# Altium PCB EMDO601_Patch.PcbDoc (part 1 of 3)
Units mil, origin at the board's own origin, x right, y up, seen from the top; angles counter-clockwise.
Board outline 3149.61 x 7086.61 mil, 4 copper layers (Top Layer, Mid-Layer 1, Mid-Layer 2, Bottom Layer), stack 56.141 mil thick; 242 components, 120 nets, 763 pads, 2087 vias.
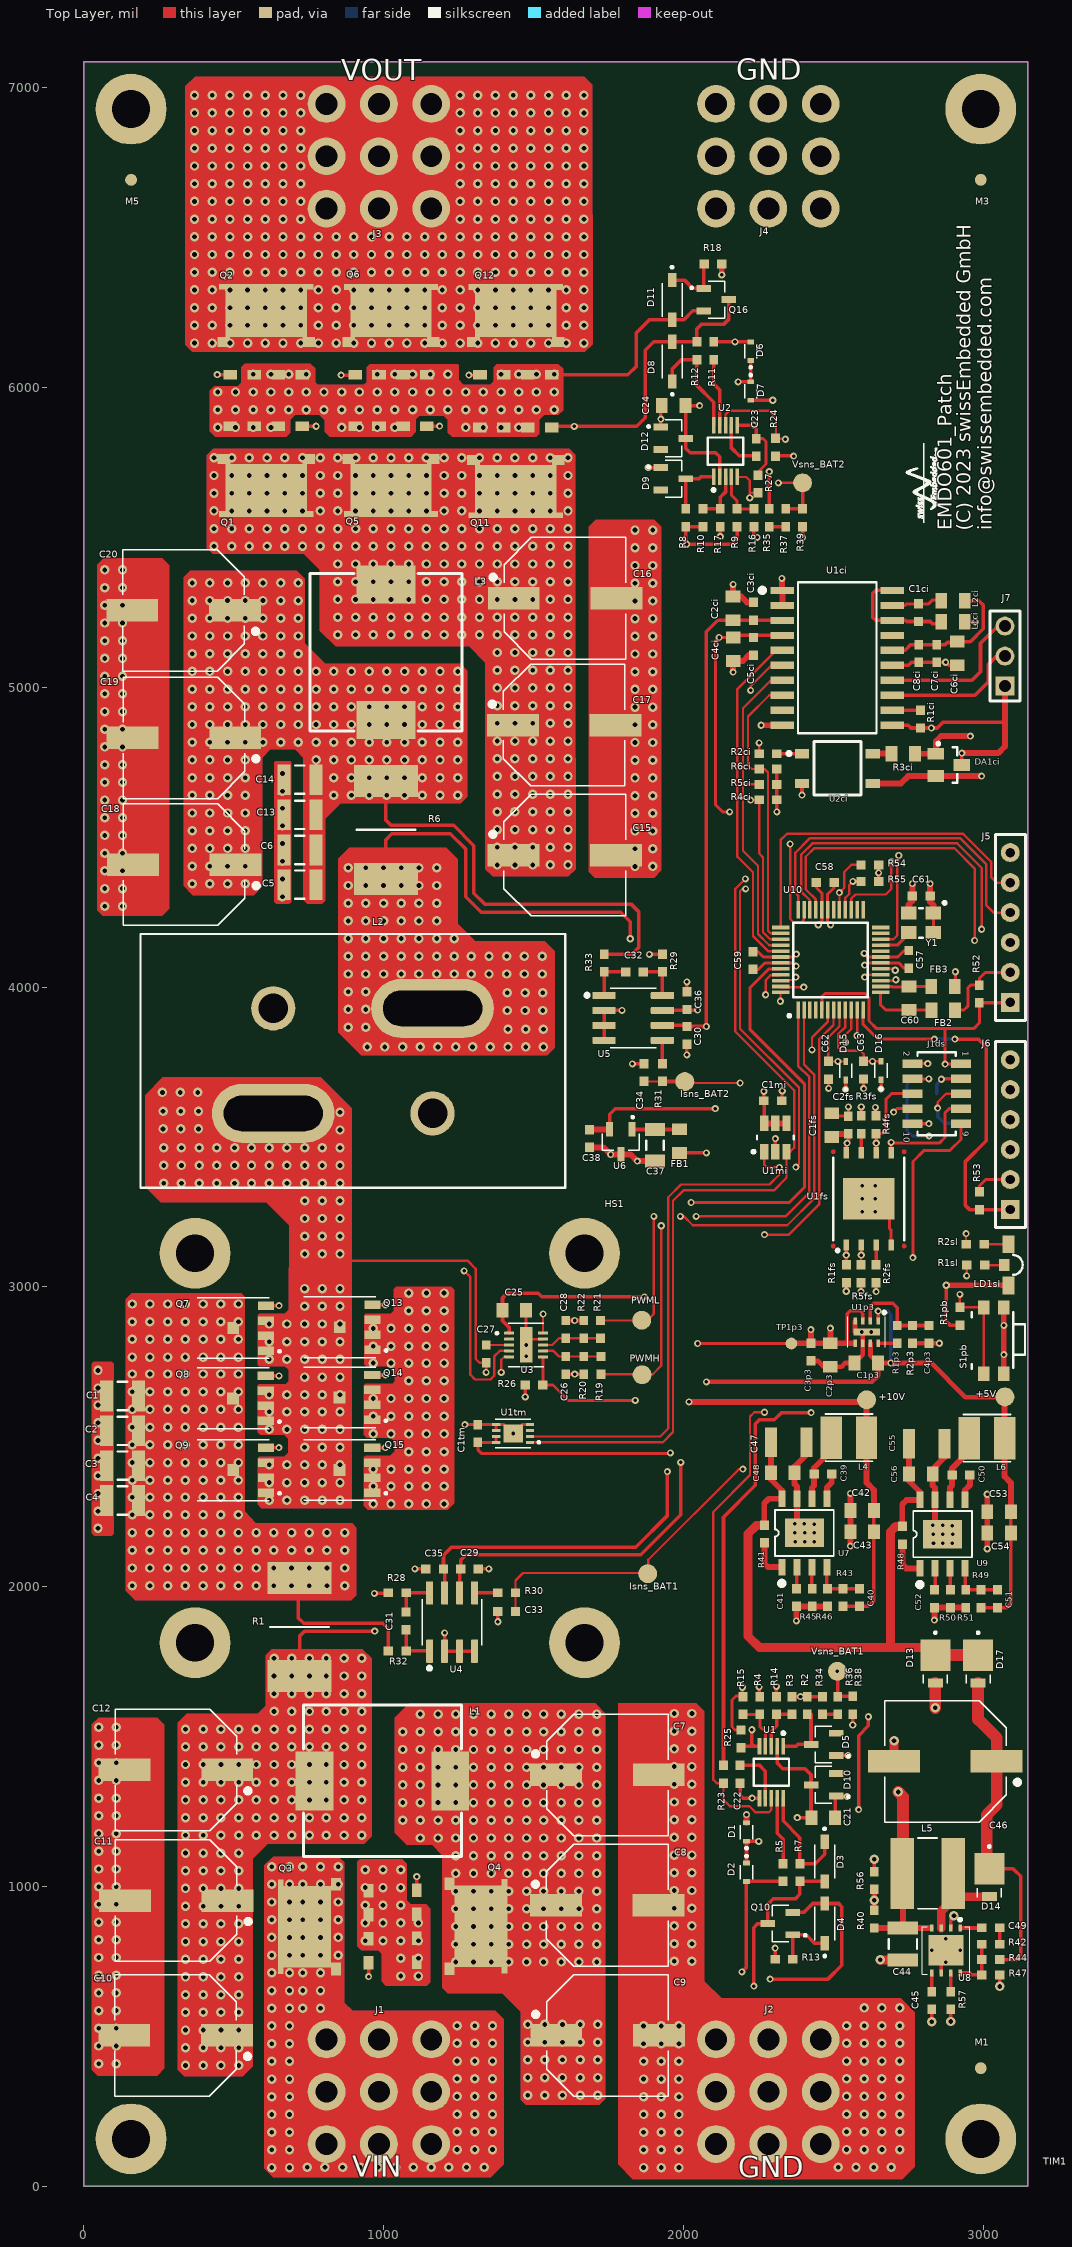
[diagram p0: Top Layer view]
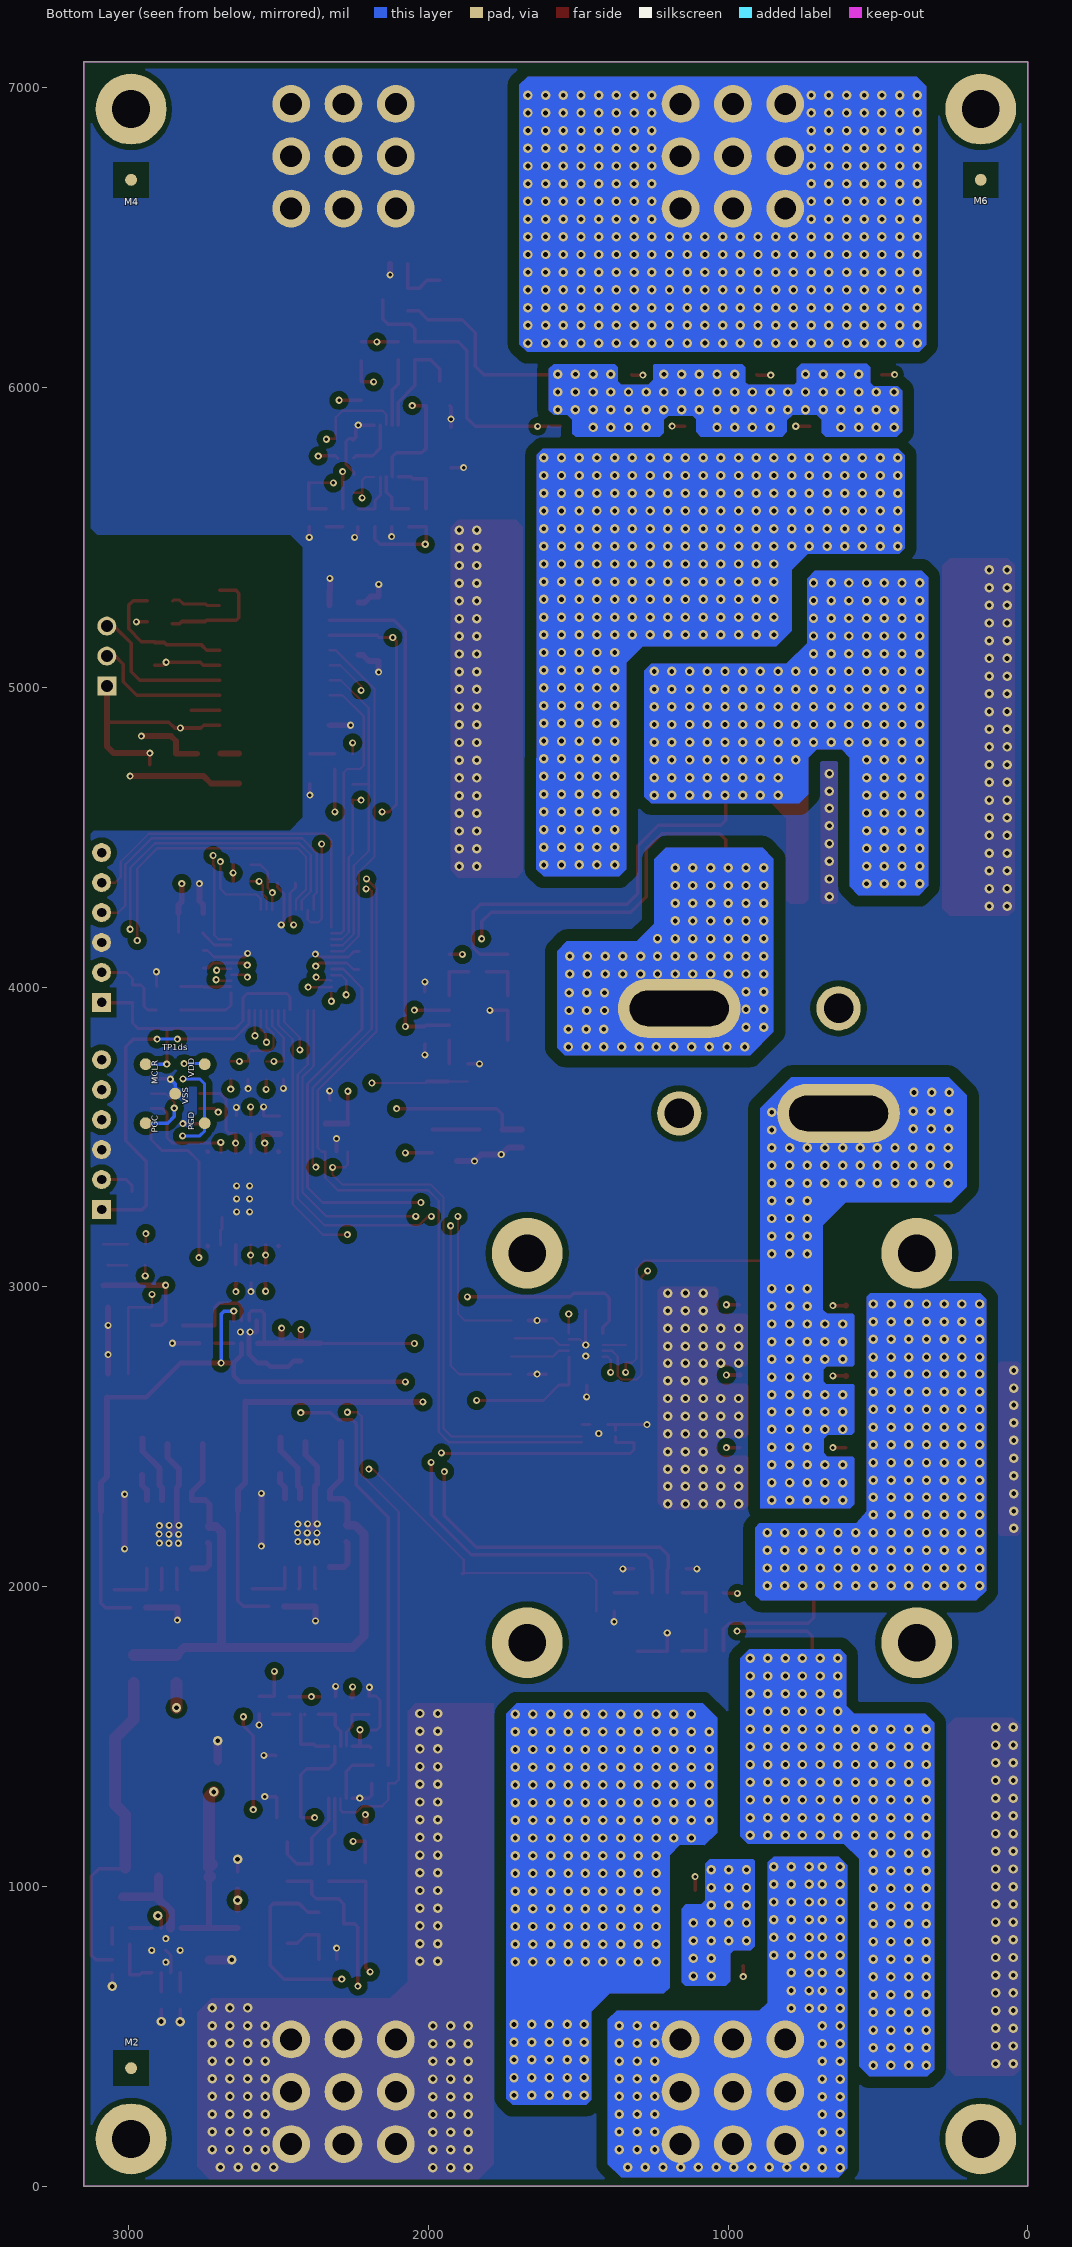
[diagram p1: Bottom Layer view, seen from below]
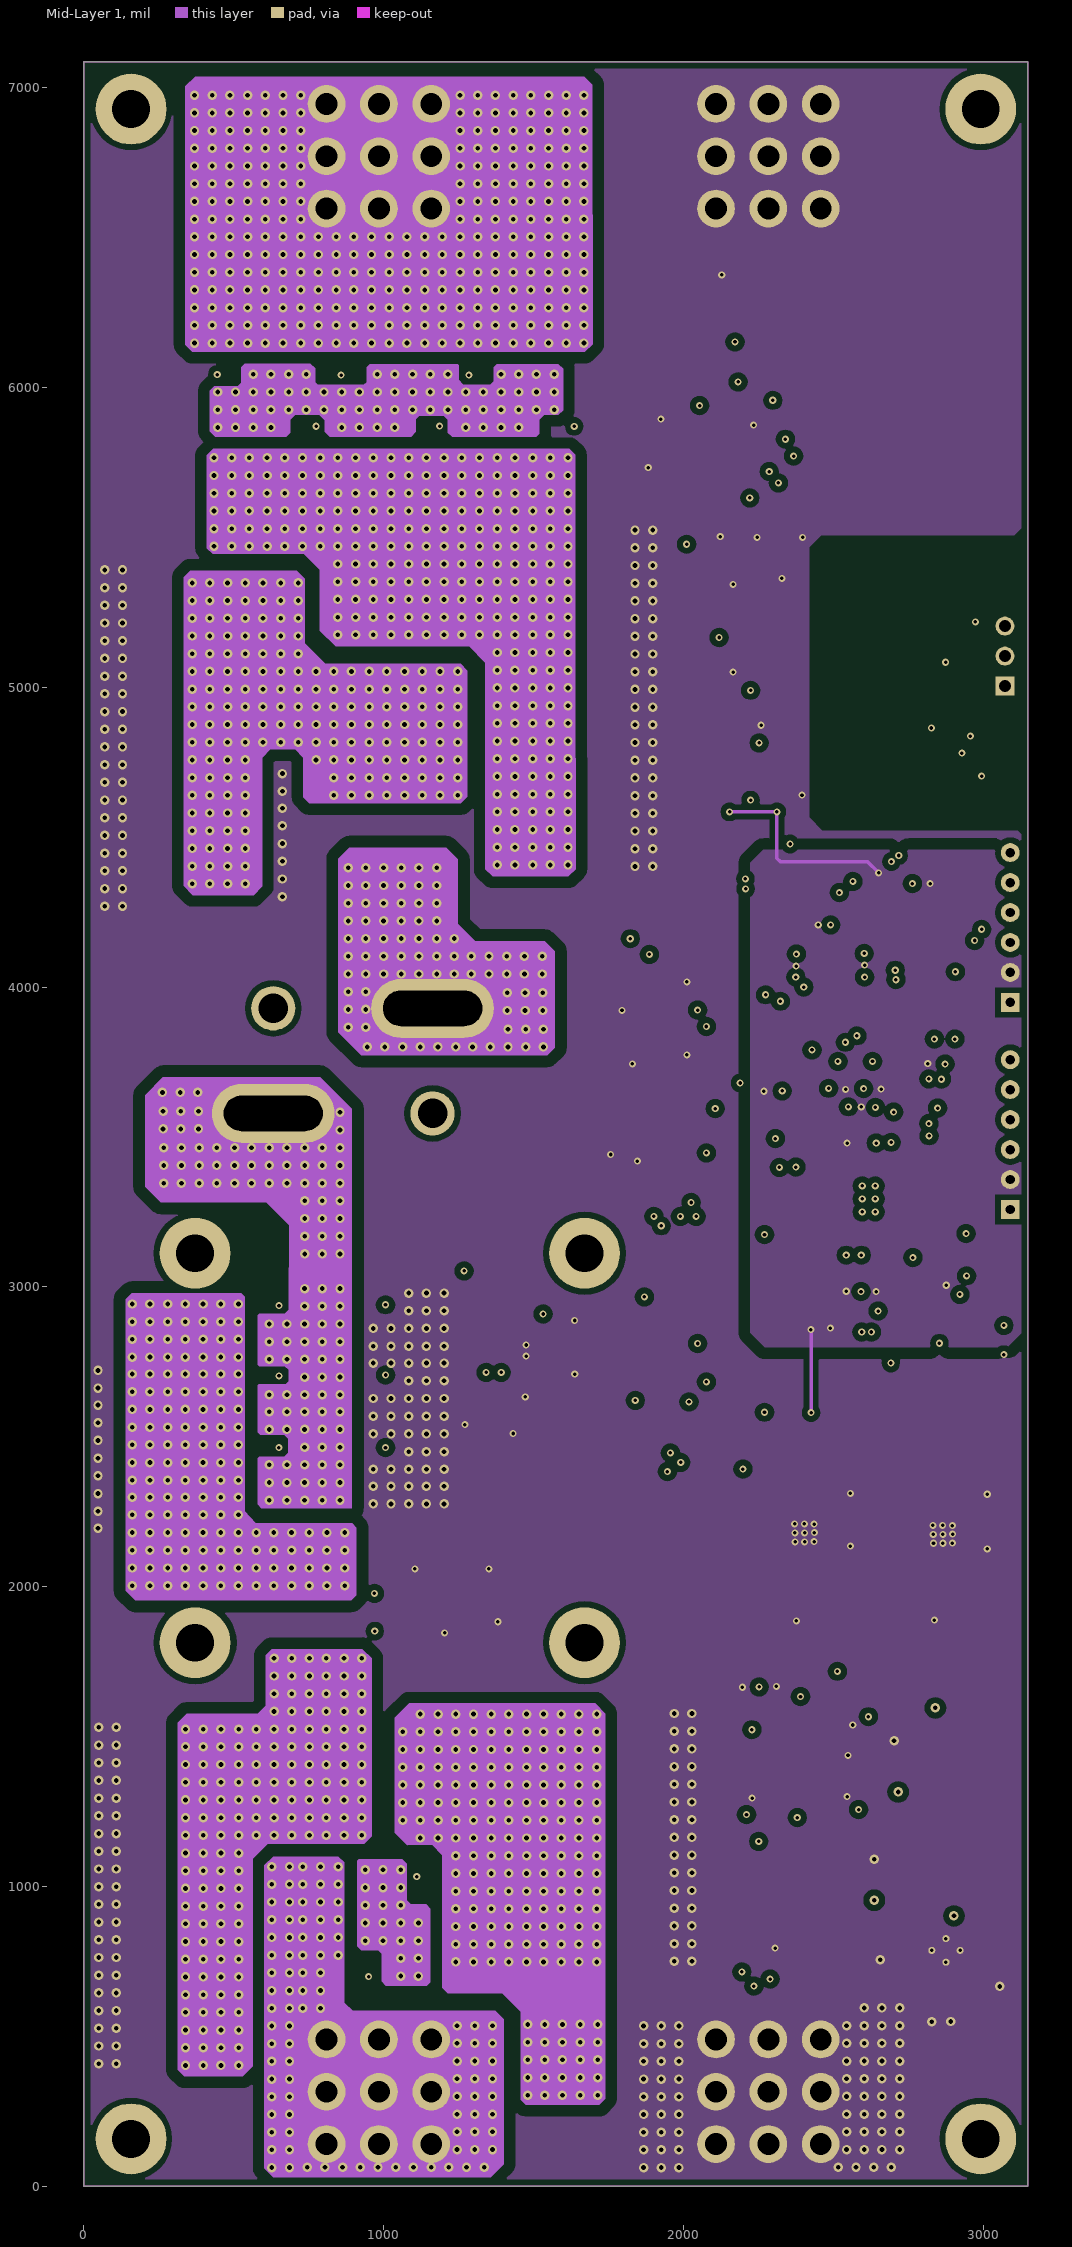
[diagram p2: Mid-Layer 1]
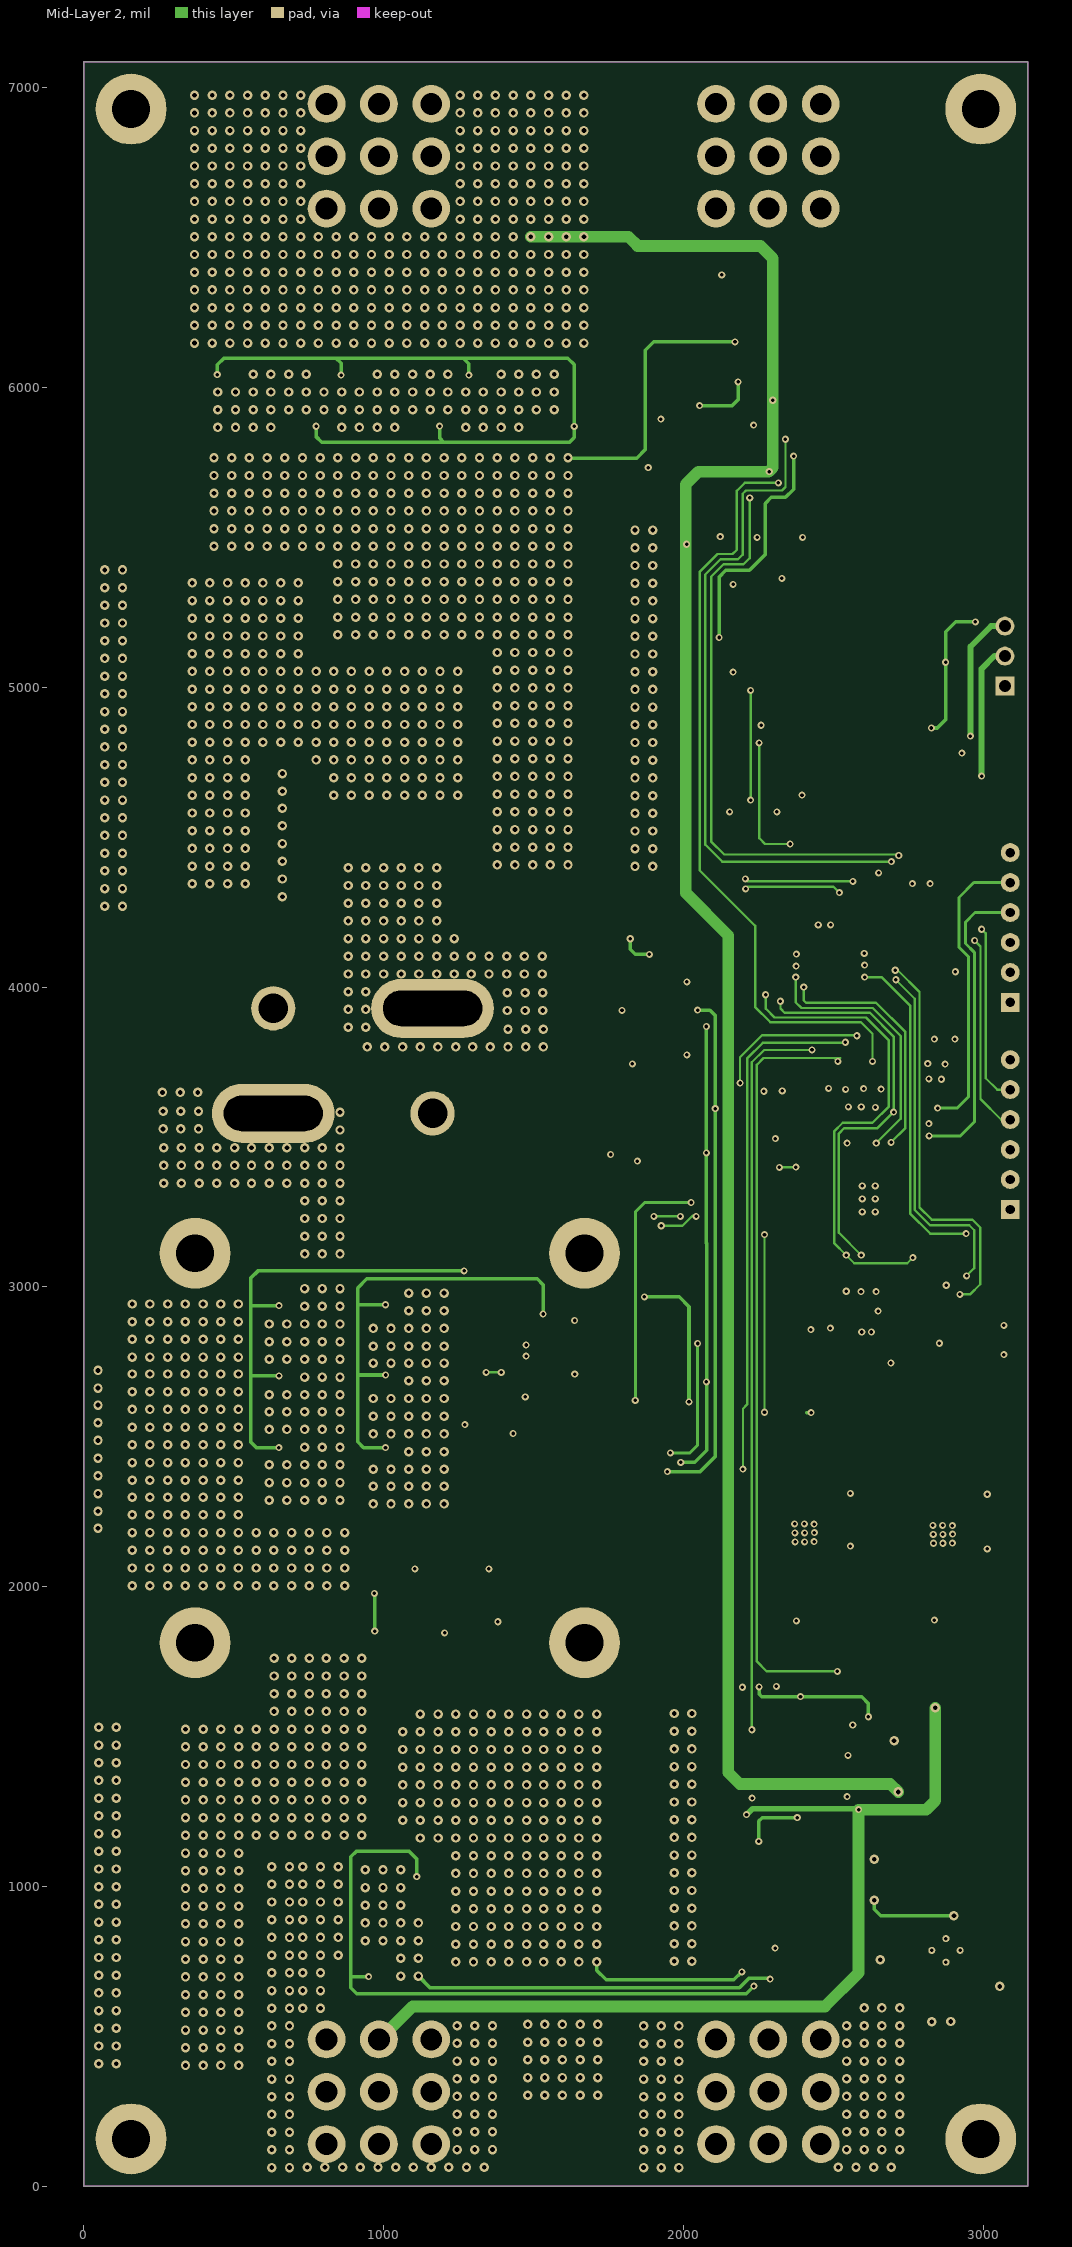
[diagram p3: Mid-Layer 2]
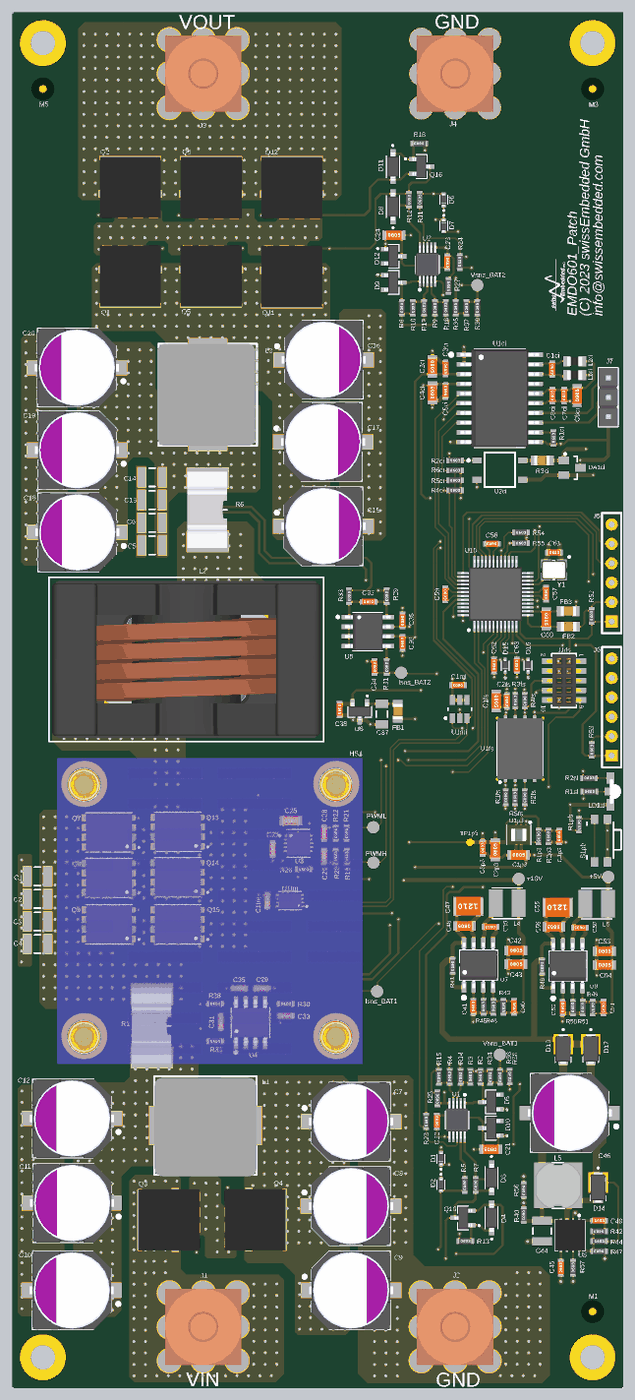
[diagram p6: 3D render of the assembled board from above, using the file's embedded part models]

## Layer stack, top to bottom
Top Solder: solder mask 0.4, Solder Resist, Dk 3.5
Top Layer: signal copper 1.3778
Dielectric1: core 11.3386, FR-4, Dk 4.8
Mid-Layer 1: signal copper 1.3778
Dielectric2: prepreg 27.9528, FR-4, Dk 4.8
Mid-Layer 2: signal copper 1.3778
Dielectric3: core 11.3386, FR-4, Dk 4.8
Bottom Layer: signal copper 1.3778
Bottom Solder: solder mask 0.4, Solder Resist, Dk 3.5

## Board outline
0,0 0,7086.61 3149.61,7086.61 3149.61,0

## Design rules (kind name [scope] priority, off if disabled: settings)
Clearance [All] p1: gap=19.68 ignorepadtopadclearanceinfootprint=FALSE except(7.87: Arc-Arc Arc-Track Arc-SMDPad Arc-THPad Arc-Via Arc-Hole Track-Track Track-SMDPad Track-THPad Track-Via Track-Hole SMDPad-SMDPad SMDPad-THPad SMDPad-Via SMDPad-Hole THPad-THPad THPad-Via THPad-Hole Via-Via Via-Hole Fill-Hole Poly-Hole Region-Hole Text-Hole; 13.78: Arc-Region Track-Region SMDPad-Region THPad-Region Via-Region Fill-Region; 39.37: Poly-Poly Poly-Region Region-Region)
ComponentClearance [All] p1: gap=9.84 collisioncheckmode=3 verticalgap=0 showdistances=FALSE
DiffPairsRouting DiffPairsRouting_USB [InDifferentialPair('USB')] p1: maxlimit=393.7 minlimit=3.94 mostfreqgap=3.94 toplayer_minwidth=6.3 toplayer_maxwidth=19.68 toplayer_prefwidth=7.87 midlayer1_minwidth=6.3 midlayer1_maxwidth=19.68 midlayer1_prefwidth=7.87 midlayer2_minwidth=6.3 midlayer2_maxwidth=19.68 midlayer2_prefwidth=7.87 bottomlayer_minwidth=6.3 bottomlayer_maxwidth=19.68 bottomlayer_prefwidth=7.87 maxuncoupledlength=500
DiffPairsRouting DiffPairsRouting_USB_D [InDifferentialPair('USB_D')] p2: maxlimit=393.7 minlimit=3.94 mostfreqgap=3.94 toplayer_minwidth=6.3 toplayer_maxwidth=19.68 toplayer_prefwidth=7.87 midlayer1_minwidth=6.3 midlayer1_maxwidth=19.68 midlayer1_prefwidth=7.87 midlayer2_minwidth=6.3 midlayer2_maxwidth=19.68 midlayer2_prefwidth=7.87 bottomlayer_minwidth=6.3 bottomlayer_maxwidth=19.68 bottomlayer_prefwidth=7.87 maxuncoupledlength=500
DiffPairsRouting DiffPairsRouting_ETH_RD [InDifferentialPair('ETH_RD')] p3: maxlimit=393.7 minlimit=3.94 mostfreqgap=3.94 toplayer_minwidth=6.3 toplayer_maxwidth=19.68 toplayer_prefwidth=7.87 midlayer1_minwidth=6.3 midlayer1_maxwidth=19.68 midlayer1_prefwidth=7.87 midlayer2_minwidth=6.3 midlayer2_maxwidth=19.68 midlayer2_prefwidth=7.87 bottomlayer_minwidth=6.3 bottomlayer_maxwidth=19.68 bottomlayer_prefwidth=7.87 maxuncoupledlength=500
DiffPairsRouting DiffPairsRouting_ETH_TD [InDifferentialPair('ETH_TD')] p4: maxlimit=393.7 minlimit=3.94 mostfreqgap=3.94 toplayer_minwidth=6.3 toplayer_maxwidth=19.68 toplayer_prefwidth=7.87 midlayer1_minwidth=6.3 midlayer1_maxwidth=19.68 midlayer1_prefwidth=7.87 midlayer2_minwidth=6.3 midlayer2_maxwidth=19.68 midlayer2_prefwidth=7.87 bottomlayer_minwidth=6.3 bottomlayer_maxwidth=19.68 bottomlayer_prefwidth=7.87 maxuncoupledlength=500
DiffPairsRouting [All] p5: maxlimit=6.3 minlimit=3.94 mostfreqgap=3.94 toplayer_minwidth=6.3 toplayer_maxwidth=19.68 toplayer_prefwidth=7.87 midlayer1_minwidth=6.3 midlayer1_maxwidth=19.68 midlayer1_prefwidth=7.87 midlayer2_minwidth=6.3 midlayer2_maxwidth=19.68 midlayer2_prefwidth=7.87 bottomlayer_minwidth=6.3 bottomlayer_maxwidth=19.68 bottomlayer_prefwidth=7.87 maxuncoupledlength=500
Height [All] p1: minheight=0 maxheight=787.4 prefheight=393.7
HoleSize [All] p1: absolutevalues=TRUE maxlimit=393.7 minlimit=7.87 maxpercent=80.000 minpercent=20.000
HoleToHoleClearance [All] p1: gap=15.75 allowstackedmicrovias=TRUE
MatchedLengths MD_MatchedLengths [InNetClass('MD')] p1: tolerance=78.74 checknetsindiffpair=FALSE checkdiffpairvsdiffpair=TRUE checkxsignals=TRUE checkothers=TRUE
MatchedLengths SD_MatchedLengths [InNetClass('SD')] p2: tolerance=314.96 checknetsindiffpair=FALSE checkdiffpairvsdiffpair=TRUE checkxsignals=TRUE checkothers=TRUE
MatchedLengths SSD_MatchedLengths [InNetClass('SSD')] p3: tolerance=393.7 checknetsindiffpair=FALSE checkdiffpairvsdiffpair=TRUE checkxsignals=TRUE checkothers=TRUE
MatchedLengths XIP_MatchedLengths [InNetClass('XIP')] p4: tolerance=393.7 checknetsindiffpair=FALSE checkdiffpairvsdiffpair=TRUE checkxsignals=TRUE checkothers=TRUE
MatchedLengths Flash [InNetClass('Flash')] p5: tolerance=50 checknetsindiffpair=FALSE checkdiffpairvsdiffpair=TRUE checkxsignals=TRUE checkothers=TRUE
MatchedLengths DiffPair_ETHMatchedLengths [InDifferentialPairClass('DP_ETH')] p6: tolerance=90.55 checknetsindiffpair=TRUE checkdiffpairvsdiffpair=FALSE checkxsignals=FALSE checkothers=FALSE
MatchedLengths RMII_MatchedLengths [InNetClass('RMII')] p7: tolerance=314.96 checknetsindiffpair=FALSE checkdiffpairvsdiffpair=TRUE checkxsignals=TRUE checkothers=TRUE
MatchedLengths DiffPair_DP_USBMatchedLengths [InDifferentialPair ('USB_D')] p8: tolerance=559.06 checknetsindiffpair=TRUE checkdiffpairvsdiffpair=FALSE checkxsignals=FALSE checkothers=FALSE
MinimumAnnularRing [All] p1: minimumring=3.94
MinimumSolderMaskSliver [All] p1: minsoldermaskwidth=0
PlaneClearance [All] p1: clearance=19.68
PlaneConnect [All] p1: planeconnectstyle=Relief reliefexpansion=19.68 reliefentries=4 reliefconductorwidth=9.84 reliefairgap=9.84
PolygonConnect [All] p1: connectstyle=Direct reliefconductorwidth=15.75 reliefentries=4 polygonreliefangle="90 Angle" airgapwidth=10
RoomDefinition U_Debug_SSD [InComponentClass('U_Debug_SSD')] p1: confinementstyle=ConfineIn formatcopy=TRUE lockcomponents=FALSE outline -31037.05,-41972.95 -29037.05,-41972.95 -29037.05,-40972.95 -31037.05,-40972.95
RoomDefinition U_PowerSupply [InComponentClass('U_PowerSupply')] p2: confinementstyle=ConfineIn formatcopy=TRUE lockcomponents=FALSE outline -31037.05,-41972.95 -29037.05,-41972.95 -29037.05,-40972.95 -31037.05,-40972.95
RoomDefinition U_Power_5V0_3V3 [InComponentClass('U_Power_5V0_3V3')] p3: confinementstyle=ConfineIn formatcopy=TRUE lockcomponents=FALSE outline -31037.05,-41972.95 -29037.05,-41972.95 -29037.05,-40972.95 -31037.05,-40972.95
RoomDefinition U_CAN_Isolation [InComponentClass('U_CAN_Isolation')] p4: confinementstyle=ConfineIn formatcopy=TRUE lockcomponents=FALSE outline -31037.05,-41972.95 -29037.05,-41972.95 -29037.05,-40972.95 -31037.05,-40972.95
RoomDefinition U_VI_Sense [InComponentClass('U_VI_Sense')] p5: confinementstyle=ConfineIn formatcopy=TRUE lockcomponents=FALSE outline -31037.05,-41972.95 -29037.05,-41972.95 -29037.05,-40972.95 -31037.05,-40972.95
RoomDefinition U_Temperature [InComponentClass('U_Temperature')] p6: confinementstyle=ConfineIn formatcopy=TRUE lockcomponents=FALSE outline -31037.05,-41972.95 -29037.05,-41972.95 -29037.05,-40972.95 -31037.05,-40972.95
RoomDefinition U_Status_LEDs [InComponentClass('U_Status_LEDs')] p7: confinementstyle=ConfineIn formatcopy=TRUE lockcomponents=FALSE outline -31037.05,-41972.95 -29037.05,-41972.95 -29037.05,-40972.95 -31037.05,-40972.95
RoomDefinition U_PowerUnit [InComponentClass('U_PowerUnit')] p8: confinementstyle=ConfineIn formatcopy=TRUE lockcomponents=FALSE outline -31037.05,-41972.95 -29037.05,-41972.95 -29037.05,-40972.95 -31037.05,-40972.95
RoomDefinition U_Module_ID [InComponentClass('U_Module_ID')] p9: confinementstyle=ConfineIn formatcopy=TRUE lockcomponents=FALSE outline -31037.05,-41972.95 -29037.05,-41972.95 -29037.05,-40972.95 -31037.05,-40972.95
RoomDefinition U_Flash_SSD [InComponentClass('U_Flash_SSD')] p10: confinementstyle=ConfineIn formatcopy=TRUE lockcomponents=FALSE outline -31037.05,-41972.95 -29037.05,-41972.95 -29037.05,-40972.95 -31037.05,-40972.95
RoomDefinition U_Controller [InComponentClass('U_Controller')] p11: confinementstyle=ConfineIn formatcopy=TRUE lockcomponents=FALSE outline -31037.05,-41972.95 -29037.05,-41972.95 -29037.05,-40972.95 -31037.05,-40972.95
RoomDefinition U_Push_Button [InComponentClass('U_Push_Button')] p12: confinementstyle=ConfineIn formatcopy=TRUE lockcomponents=FALSE outline -31037.05,-41972.95 -29037.05,-41972.95 -29037.05,-40972.95 -31037.05,-40972.95
RoomDefinition Main [InComponentClass('Main')] p13: confinementstyle=ConfineIn formatcopy=TRUE lockcomponents=FALSE outline -31037.05,-41972.95 -29037.05,-41972.95 -29037.05,-40972.95 -31037.05,-40972.95
RoutingCorners [All] p1: cornerstyle=45-Degree minsetback=78.74 maxsetback=78.74
RoutingVias [All] p1: holewidth=11.81 width=31.5 viastyle="Through Hole" minholewidth=9.84 minwidth=18.9 maxholewidth=11.81 maxwidth=31.5
SilkToSilkClearance [All] p1: silktosilkclearance=9.84
SilkToSolderMaskClearance SilkscreenOverComponentPads [IsPad] p1: minsilkscreentomaskgap=9.84 clearancetoexposedcopper=TRUE
SolderMaskExpansion ISVIA [IsVia] p1: expansion=5.91
SolderMaskExpansion [All] p2: expansion=2.56
Width [All] p1: maxlimit=196.85 minlimit=3.94 preferedwidth=5.91 minimp=50.000000 maximp=50.000000 favimp=50.000000
19 further rules are at their usual default settings.

## Classes and differential pairs
net class ICD: MCU_PGC MCU_PGD
component class U_Debug_SSD: J1ds TP1ds
component class U_VI_Sense: C29 C30 C31 C32 C33 C34 C35 C36 C37 C38 FB1 Isns_BAT1 Isns_BAT2 R28 R29 R30 R31 R32 R33 R34 R35 R36 R37 R38 R39 U4 U5 U6 Vsns_BAT1 Vsns_BAT2
component class U_PowerSupply: +5V +10V C39 C40 C41 C42 C43 C44 C45 C46 C47 C48 C49 C50 C51 C52 C53 C54 C55 C56 D13 D14 D17 L4 L5 L6 R40 R41 R42 R43 R44 R45 R46 R47 R48 R49 R50 R51 R56 R57 U7 U8 U9
component class U_Power_5V0_3V3: C1p3 C2p3 C3p3 C4p3 R1p3 R2p3 TP1p3 U1p3
net class SSD: SSD_CLK SSD_MISO SSD_MOSI
net class ISO_RS485: CANH CANL GND_CAN NetC1ci_1 NetC1ci_2 NetR1ci_2 NetR3ci_1 NetU1ci_17 VCAN
component class U_Status_LEDs: LD1sl R1sl R2sl
component class U_Push_Button: R1pb S1pb
component class U_Module_ID: C1mi U1mi
component class U_Flash_SSD: C1fs C2fs R1fs R2fs R3fs R4fs R5fs U1fs
component class U_Controller: C57 C58 C59 C60 C61 C62 C63 D15 D16 FB2 FB3 J5 J6 J7 R52 R53 R54 R55 U10 Y1
component class U_CAN_Isolation: C1ci C2ci C3ci C4ci C5ci C6ci C7ci C8ci DA1ci L1ci L2ci R1ci R2ci R3ci R4ci R5ci R6ci U1ci U2ci
component class Main: J1 J2 J3 J4 M1 M2 M3 M4 M5 M6
component class U_PowerUnit: C1 C2 C3 C4 C5 C6 C7 C8 C9 C10 C11 C12 C13 C14 C15 C16 C17 C18 C19 C20 C21 C22 C23 C24 C25 C26 C27 C28 D1 D2 D3 D4 D5 D6 D7 D8 D9 D10 D11 D12 HS1 L1 L2 L3 PWMH PWML Q1 Q2 Q3 Q4 Q5 Q6 Q7 Q8 Q9 Q10 Q11 Q12 Q13 Q14 Q15 Q16 R1 R2 R3 R4 R5 R6 R7 R8 R9 R10 R11 R12 R13 R14 R15 R16 R17 R18 R19 R20 R21 R22 R23 R24 R25 R26 R27 TIM1 U1 U2 U3
component class U_Temperature: C1tm U1tm
